# KiCad board FetsAndCrosses.kicad_pcb (continued)
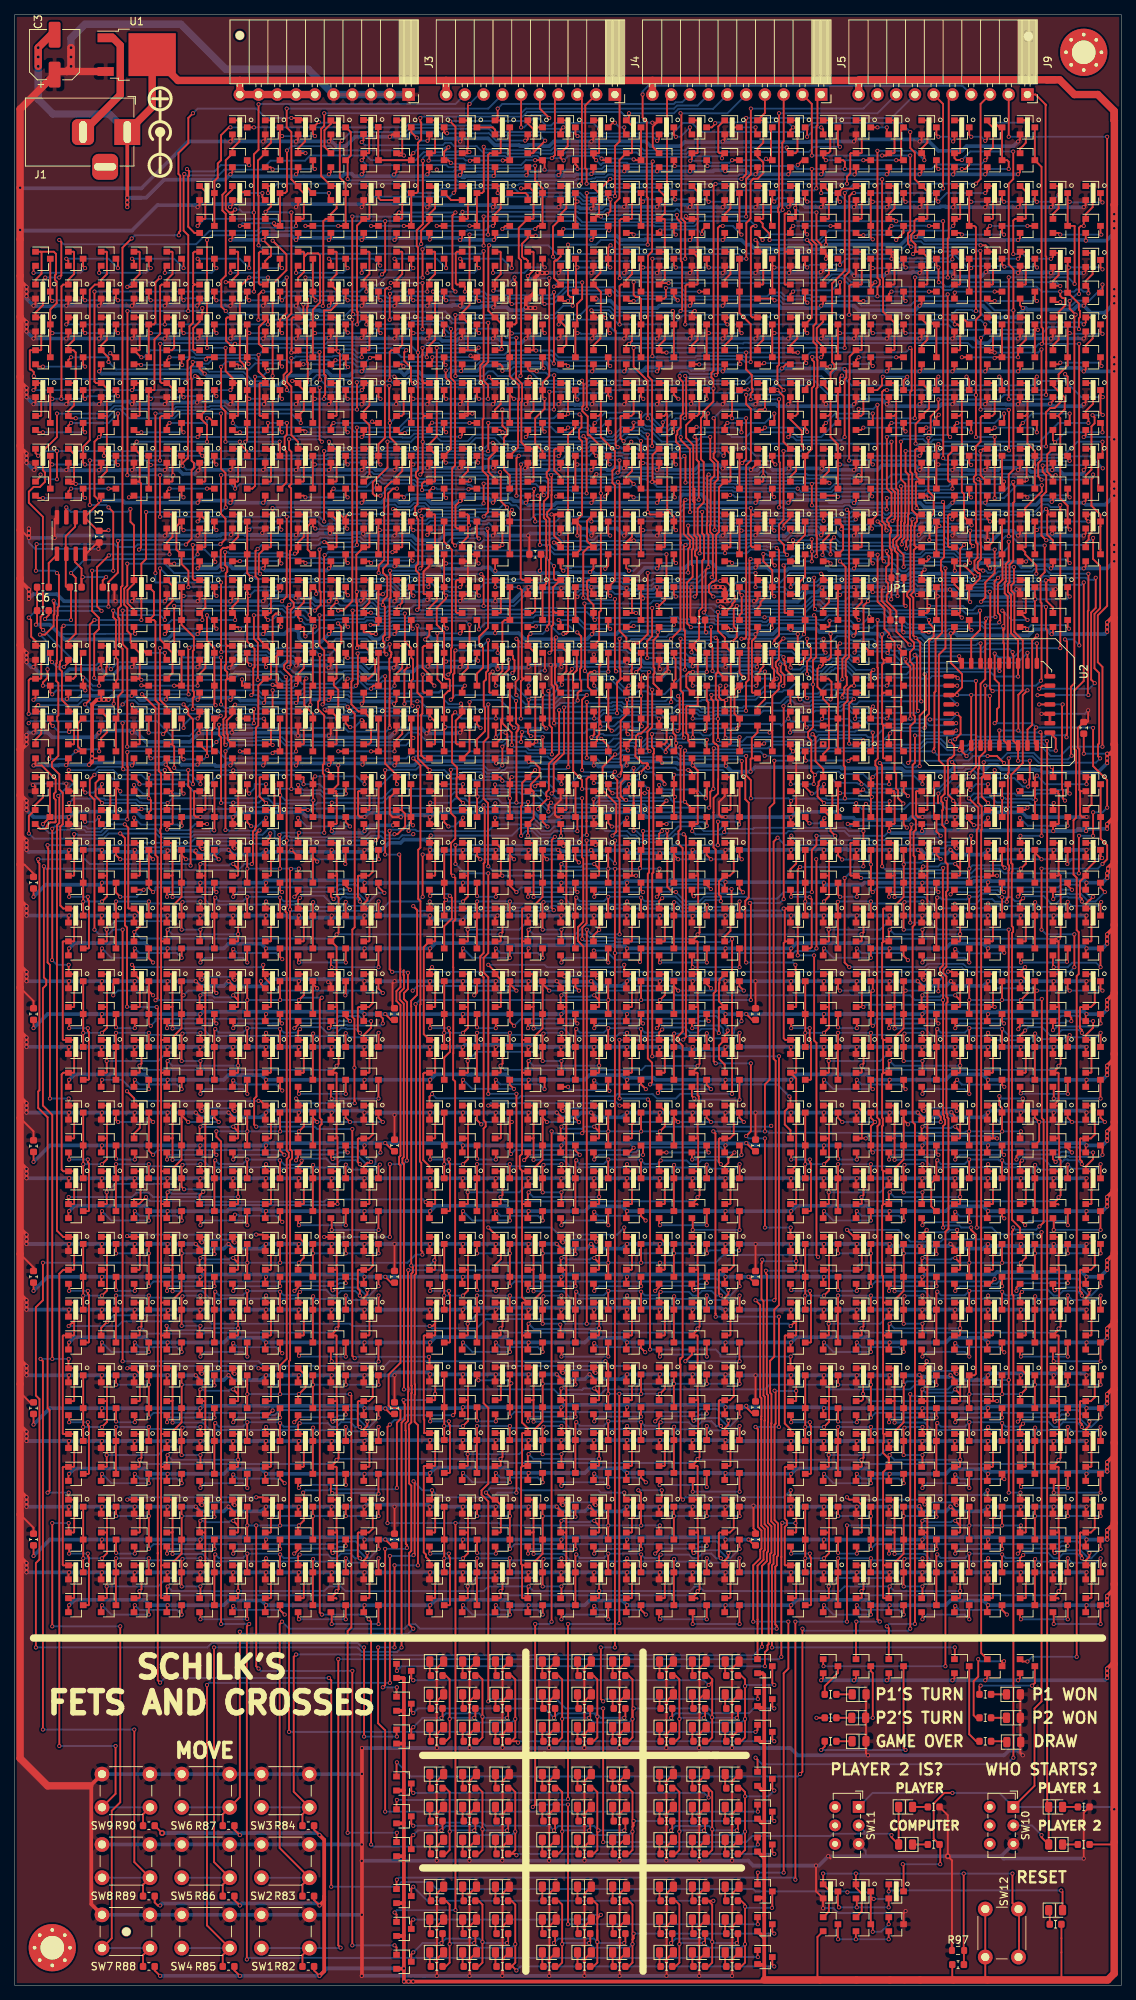
[diagram p0: board, top side]
## Routing (per net, layer and track width the routed paths; a pad name or vN(x,y) marks a point on that pad's centre or on a via; arc(x,y) is an arc through that point) (continued)
  Bottom w0.25: v1(61.46,202.48) 57.22,202.48 57.05,202.64 v1(56.66,202.64)
Net-(Q579-Pad2): length 8.5
  Top w0.25: v1(52.81,210.08) 52.13,210.08 51.7,210.5 ; v1(58.42,210.2) 58.15,210.47 Q580.3
  Bottom w0.25: v1(58.42,210.2) 57.78,210.2 57.53,210.44 53.17,210.44 v1(52.81,210.08)
Net-(Q580-Pad2): length 7.2
  Top w0.25: v1(61.59,211.45) Q581.3 ; 56.15,210.5 56.15,211.15 56.48,211.49 v1(56.52,211.49)
  Bottom w0.25: v1(61.59,211.45) 56.56,211.45 v1(56.52,211.49)
Net-(Q585-Pad2): length 8.6
  Top w0.25: Q586.3 44.81,219.33 v1(45.12,219.02) ; Q585.2 39.08,219.39 v1(39.09,219.39)
  Bottom w0.25: v1(39.09,219.39) 42.47,219.39 43.11,218.75 44.84,218.75 v1(45.12,219.02)
Net-(Q586-Pad2): length 7.2
  Top w0.25: Q586.2 42.89,219.39 v1(43.44,219.94) ; Q587.3 48.2,220.34 v1(48.12,220.27)
  Bottom w0.25: v1(43.44,219.94) 44.28,219.94 44.5,220.16 45.91,220.16 46.32,219.74 47.6,219.74 v1(48.12,220.27)
Net-(Q591-Pad2): length 8.2
  Top w0.25: Q592.3 44.81,210.45 v1(45.08,210.19) ; v1(39.37,210.28) 39.15,210.5 38.37,210.5
  Bottom w0.25: v1(39.37,210.28) 39.47,210.19 v1(45.08,210.19)
Net-(Q592-Pad2): length 7.4
  Top w0.25: v1(43.18,211.45) 42.81,211.09 42.81,210.5 ; Q593.3 48.56,211.45 48.41,211.61 v1(48.41,211.64)
  Bottom w0.25: v1(48.41,211.64) 48.22,211.45 v1(43.18,211.45)
Net-(Q597-Pad2): length 9.7
  Top w0.25: v1(45.08,232.41) 44.81,232.68 Q598.3 ; 38.42,232.73 Q597.2 38.1,232.46 v1(38.1,231.77)
  Bottom w0.25: v1(45.08,232.41) 44.45,231.77 v1(38.1,231.77)
Net-(Q598-Pad2): length 9.4
  Top w0.25: Q598.2 42.81,233.41 v1(42.55,233.68) ; Q602.3 49.26,232.99 v1(49.49,232.76)
  Bottom w0.25: v1(49.49,232.76) 48.57,233.68 v1(42.55,233.68)
Net-(Q602-Pad2): length 9.7
  Top w0.25: v1(53.98,232.41) 53.7,232.68 Q603.3 ; v1(46.99,231.77) 46.99,232.46 Q602.2
  Bottom w0.25: v1(46.99,231.77) 47.38,232.16 53.73,232.16 v1(53.98,232.41)
Net-(Q603-Pad2): length 10
  Top w0.25: Q604.3 58.42,233.41 v1(58.42,232.41) ; v1(51.44,233.68) 51.7,233.41 Q603.2
  Bottom w0.25: v1(58.42,232.41) 57.15,233.68 v1(51.44,233.68)
Net-(Q604-Pad2): length 9.7
  Top w0.25: Q604.2 55.88,232.46 v1(55.88,231.77) ; Q608.3 62.59,232.68 v1(62.87,232.41)
  Bottom w0.25: v1(62.87,232.41) 62.23,231.77 v1(55.88,231.77)
Net-(Q608-Pad2): length 10
  Top w0.25: v1(67.31,232.41) 67.31,233.41 Q609.3 ; Q608.2 60.59,233.41 v1(60.33,233.68)
  Bottom w0.25: v1(60.33,233.68) 66.04,233.68 v1(67.31,232.41)
Net-(Q609-Pad2): length 9.7
  Top w0.25: Q609.2 64.77,232.46 v1(64.77,231.77) ; v1(71.77,232.5) 71.48,232.79 Q610.3
  Bottom w0.25: v1(64.77,231.77) 69.03,231.77 69.75,232.5 v1(71.77,232.5)
Net-(Q613-Pad2): length 8.4
  Top w0.25: v1(114.94,236.85) 114.26,236.85 Q613.2 ; 119.5,236.22 v1(119.38,236.22) 120.38,237.22 Q614.3
  Bottom w0.25: v1(114.94,236.85) 115.32,236.85 115.41,236.95 118.65,236.95 v1(119.38,236.22)
Net-(Q614-Pad2): length 7.2
  Top w0.25: v1(123.83,238.12) Q615.3 ; Q614.2 118.38,237.76 v1(118.74,238.12)
  Bottom w0.25: v1(123.83,238.12) 123.44,238.12 123.42,238.15 119.15,238.15 119.13,238.12 v1(118.74,238.12)
Net-(Q619-Pad2): length 8.7
  Top w0.25: v1(102.9,228.06) 102.67,228.28 100.6,228.28 ; v1(107.35,227.74) 107.05,228.04 Q620.3
  Bottom w0.25: v1(102.9,228.06) 103.59,228.06 104.06,227.59 107.2,227.59 v1(107.35,227.74)
Net-(Q620-Pad2): length 9.6
  Top w0.25: v1(105.41,229.23) 105.05,228.87 105.05,228.28 ; v1(111.76,230.5) 111.76,229.5 Q621.3 111.42,229.23 111.32,229.13
  Bottom w0.25: v1(105.41,229.23) 105.58,229.4 110.66,229.4 v1(111.76,230.5)
Net-(Q625-Pad2): length 7.3
  Top w0.25: Q626.3 v1(132.72,229.23) ; 127.27,228.28 127.27,229.06 v1(127.31,229.1)
  Bottom w0.25: v1(132.72,229.23) 127.45,229.23 v1(127.31,229.1)
Net-(Q626-Pad2): length 8.2
  Top w0.25: 131.72,228.28 132.03,227.96 v1(132.72,227.96) ; v1(138.43,227.96) 138.16,228.23 Q627.3
  Bottom w0.25: v1(138.43,227.96) v1(132.72,227.96)
Net-(Q631-Pad2): length 8.2
  Top w0.25: 113.94,228.28 114.26,227.96 v1(114.94,227.96) ; v1(120.65,227.96) 120.38,228.23 Q632.3
  Bottom w0.25: v1(120.65,227.96) v1(114.94,227.96)
Net-(Q632-Pad2): length 7.2
  Top w0.25: v1(118.74,229.23) 118.38,228.87 118.38,228.28 ; v1(123.83,229.23) Q633.3
  Bottom w0.25: v1(118.74,229.23) v1(123.83,229.23)
Net-(Q637-Pad2): length 8.1
  Top w0.25: v1(133.98,236.95) 133.72,237.22 Q638.3 ; v1(128.27,236.95) 128.04,237.17 Q637.2
  Bottom w0.25: v1(128.27,236.95) v1(133.98,236.95)
Net-(Q638-Pad2): length 7.2
  Top w0.25: v1(137.16,238.12) Q639.3 ; v1(132.08,238.12) 131.72,237.76 Q638.2
  Bottom w0.25: v1(132.08,238.12) v1(137.16,238.12)
Net-(Q643-Pad2): length 8.8
  Top w0.25: v1(107.31,236.97) 107.05,237.24 Q644.3 ; v1(101.28,236.22) 100.6,236.9 Q643.2
  Bottom w0.25: v1(107.31,236.97) 102.03,236.97 v1(101.28,236.22)
Net-(Q644-Pad2): length 7.2
  Top w0.25: Q644.2 105.05,237.76 v1(105.41,238.12) ; v1(110.49,238.12) Q645.3
  Bottom w0.25: v1(105.41,238.12) v1(110.49,238.12)
Net-(Q652-Pad2): length 7.9
  Top w0.25: v1(147.16,236.95) 147.05,237.06 Q653.3 ; v1(141.6,236.95) 141.38,237.17 Q652.2
  Bottom w0.25: v1(141.6,236.95) v1(147.16,236.95)
Net-(Q658-Pad3): length 5.8
  Top w0.25: v1(131.44,224.79) 131.44,224.11 Q659.2 ; Q658.3 128.63,225.42 v1(128.27,225.42)
  Bottom w0.25: v1(131.44,224.79) 130.84,225.39 128.3,225.39 v1(128.27,225.42)
Net-(Q663-Pad2): length 8.2
  Top w0.25: Q664.3 89.27,237.22 v1(89.54,236.95) ; Q663.2 83.59,237.17 v1(83.82,236.95)
  Bottom w0.25: v1(83.82,236.95) 86.25,236.95 86.31,236.88 89.47,236.88 v1(89.54,236.95)
Net-(Q664-Pad2): length 7.7
  Top w0.25: Q664.2 87.27,237.34 v1(87.41,237.48) ; Q665.3 93.09,237.5 v1(93.09,237.01)
  Bottom w0.25: v1(87.41,237.48) 87.56,237.63 92.46,237.63 v1(93.09,237.01)
Net-(Q672-Pad2): length 20
  Top w0.25: 25.36,236.85 Q672.2 24.33,237.17 23.49,238.02 23.49,244.8 23.61,244.91 23.61,245.53 v1(23.33,245.81) ; v1(31.75,246.35) 31.48,246.62 Q673.3
  Bottom w0.25: v1(23.33,245.81) 23.65,245.49 27.05,245.49 27.9,246.35 v1(31.75,246.35)
Net-(Q676-Pad2): length 7.5
  Top w0.25: v1(107.19,219.56) 107.05,219.7 Q677.3 ; v1(101.5,219.56) 101.34,219.39 Q676.2
  Bottom w0.25: v1(107.19,219.56) v1(101.5,219.56)
Net-(Q682-Pad2): length 9.7
  Top w0.25: v1(141.6,227.8) 140.92,227.8 Q682.2 ; Q683.3 147.32,229.34 v1(147.32,230.19)
  Bottom w0.25: v1(141.6,227.8) 142.05,227.36 143.16,227.36 143.82,228.02 145.54,228.02 147.32,229.8 v1(147.32,230.19)
Net-(Q688-Pad2): length 8.1
  Top w0.25: Q688.2 141.39,219.39 v1(141.61,219.61) ; v1(147.18,219.17) 147.05,219.3 Q689.3
  Bottom w0.25: v1(147.18,219.17) 146.73,219.61 v1(141.61,219.61)
Net-(Q693-Pad2): length 8.7
  Top w0.25: v1(83.82,227.96) 83.14,227.96 82.82,228.28 ; v1(89.79,228.06) 89.27,228.58 Q694.3
  Bottom w0.25: v1(89.79,228.06) 89.4,228.06 89.23,228.22 84.47,228.22 84.21,227.96 v1(83.82,227.96)
Net-(Q694-Pad2): length 8
  Top w0.25: v1(92.71,229.23) Q695.3 ; 87.27,228.28 87.97,228.28 88.19,228.51 v1(88.19,229.72)
  Bottom w0.25: v1(88.19,229.72) 90.28,229.72 90.77,229.23 v1(92.71,229.23)
Net-(Q700-Pad2): length 7.7
  Top w0.25: 73.93,228.28 74.25,227.96 v1(74.93,227.96) ; Q701.3 80.38,228.97 v1(80.56,228.78)
  Bottom w0.25: v1(80.56,228.78) 80.46,228.88 75.85,228.88 v1(74.93,227.96)
Net-(Q704-Pad2): length 7.6
  Top w0.25: Q704.2 73.93,237.34 v1(74.3,237.71) ; Q705.3 80.38,237.65 v1(80.51,237.52)
  Bottom w0.25: v1(74.3,237.71) 80.32,237.71 v1(80.51,237.52)
Net-(Q708-Pad2): length 8.1
  Top w0.25: v1(80.65,219.17) 80.38,219.44 Q709.3 ; Q708.2 74.7,219.39 v1(74.93,219.17)
  Bottom w0.25: v1(80.65,219.17) v1(74.93,219.17)
Net-(Q712-Pad2): length 7.5
  Top w0.25: v1(98.26,219.43) 98.16,219.53 Q713.3 ; v1(92.71,219.37) 92.69,219.39 Q712.2
  Bottom w0.25: v1(92.71,219.37) 98.21,219.37 v1(98.26,219.43)
Net-(Q716-Pad2): length 8.4
  Top w0.25: v1(137.12,183.55) 137.12,183.57 136.86,183.83 Q716.2 ; v1(142.78,183.61) 142.6,183.78 Q717.3
  Bottom w0.25: v1(142.78,183.61) 142.29,184.09 137.66,184.09 v1(137.12,183.55)
Net-(Q720-Pad2): length 8.3
  Top w0.25: v1(137.15,201.39) 136.92,201.61 Q720.2 ; v1(142.87,201.39) 142.6,201.65 Q721.3
  Bottom w0.25: v1(142.87,201.39) 142.59,201.66 137.43,201.66 v1(137.15,201.39)
Net-(Q724-Pad2): length 9.2
  Top w0.25: v1(129.57,183.42) 129.27,183.72 Q725.3 ; v1(123.8,183.13) 122.88,183.13 122.83,183.19 Q724.2
  Bottom w0.25: v1(129.57,183.42) 129.18,183.42 129.02,183.58 126.49,183.58 126.19,183.28 123.95,183.28 v1(123.8,183.13)
Net-(Q728-Pad2): length 8.4
  Top w0.25: v1(129.38,192.53) 129.27,192.64 Q729.3 ; v1(123.78,193.26) 123.78,192.98 123.52,192.72 Q728.2
  Bottom w0.25: v1(129.38,192.53) 129.14,192.77 127.58,192.77 127.09,193.26 v1(123.78,193.26)
Net-(Q732-Pad2): length 8.3
  Top w0.25: v1(123.86,201.22) 123.58,201.5 123.58,201.61 ; v1(129.53,201.39) 129.27,201.65 Q733.3 ; 123.58,201.61 123.59,201.61 ; 123.58,201.61 Q732.2
  Bottom w0.25: v1(129.53,201.39) 124.03,201.39 v1(123.86,201.22)
Net-(Q736-Pad2): length 8.2
  Top w0.25: Q736.2 110.19,183.83 110.35,184 v1(110.35,184.67) ; Q737.3 115.76,184.96 v1(115.76,185.22)
  Bottom w0.25: v1(110.35,184.67) 113.2,184.67 113.69,184.18 114.72,184.18 v1(115.76,185.22)
Net-(Q740-Pad2): length 8.5
  Top w0.25: v1(116.21,192.44) 115.94,192.72 Q741.3 ; v1(110.49,192.44) 110.2,192.72 Q740.2
  Bottom w0.25: v1(110.49,192.44) 110.81,192.12 112.05,192.12 112.37,192.44 v1(116.21,192.44)
Net-(Q744-Pad2): length 7.8
  Top w0.25: Q744.2 111.33,201.61 v1(111.48,201.46) ; v1(116.12,201.52) 115.94,201.71 Q745.3
  Bottom w0.25: v1(111.48,201.46) 111.54,201.52 v1(116.12,201.52)
Net-(Q750-Pad2): length 9.4
  Top w0.25: Q751.3 116.2,211.72 v1(116.2,212.72) ; 109.49,210.5 109.49,211.09 v1(109.86,211.45)
  Bottom w0.25: v1(109.86,211.45) 111.13,212.72 v1(116.2,212.72)
Net-(Q751-Pad2): length 8.3
  Top w0.25: 113.94,210.5 114.62,210.5 v1(114.94,210.82) ; Q752.3 120.38,210.58 v1(120.65,210.31)
  Bottom w0.25: v1(120.65,210.31) 120.14,210.82 v1(114.94,210.82)
Net-(Q752-Pad2): length 9.2
  Top w0.25: v1(118.74,211.45) 118.38,211.09 118.38,210.5 ; v1(125.15,212.56) 124.83,212.24 Q756.3
  Bottom w0.25: v1(125.15,212.56) 124.04,211.45 v1(118.74,211.45)
Net-(Q756-Pad2): length 8.5
  Top w0.25: Q757.3 129.54,211.19 v1(129.54,210.19) ; v1(123.44,210.83) 123.12,210.5 122.83,210.5
  Bottom w0.25: v1(123.44,210.83) 128.89,210.83 v1(129.54,210.19)
Net-(Q757-Pad2): length 9.4
  Top w0.25: 127.27,210.5 127.27,211.09 v1(127.64,211.45) ; v1(133.98,212.72) 133.98,211.72 Q758.3
  Bottom w0.25: v1(127.64,211.45) 132.72,211.45 v1(133.98,212.72)
Net-(Q758-Pad2): length 8.5
  Top w0.25: 131.72,210.5 132.4,210.5 v1(132.72,210.82) ; Q762.3 138.43,211.19 v1(138.43,210.19)
  Bottom w0.25: v1(138.43,210.19) 137.79,210.82 v1(132.72,210.82)
Net-(Q762-Pad2): length 9.4
  Top w0.25: v1(136.52,211.45) 136.16,211.09 136.16,210.5 ; Q763.3 142.88,211.72 v1(142.88,212.72)
  Bottom w0.25: v1(142.88,212.72) 137.79,212.72 v1(136.52,211.45)
Net-(Q763-Pad2): length 10.2
  Top w0.25: v1(147.32,210.19) 147.32,211.19 Q764.3 ; 140.6,210.5 140.6,209.13 v1(140.9,208.84)
  Bottom w0.25: v1(140.9,208.84) 142.25,210.19 v1(147.32,210.19)
Net-(Q768-Pad2): length 8.3
  Top w0.25: v1(142.88,192.5) 142.6,192.77 Q769.3 ; v1(136.95,192.7) 136.93,192.72 Q768.2
  Bottom w0.25: v1(142.88,192.5) 142.39,192.98 137.23,192.98 v1(136.95,192.7)
Net-(Q772-Pad2): length 8
  Top w0.25: Q773.3 102.6,183.81 v1(102.51,183.73) ; Q772.2 96.62,183.83 v1(97.04,183.41)
  Bottom w0.25: v1(97.04,183.41) 97.32,183.69 99.34,183.69 99.58,183.45 102.24,183.45 v1(102.51,183.73)
Net-(Q776-Pad2): length 8.1
  Top w0.25: Q777.3 102.6,201.66 v1(102.85,201.41) ; v1(96.89,201.7) 96.89,201.65 96.86,201.61 Q776.2
  Bottom w0.25: v1(96.89,201.7) 97.28,201.7 97.57,201.41 v1(102.85,201.41)
Net-(Q780-Pad2): length 7.2
  Top w0.25: Q780.2 83.69,183.83 v1(83.82,183.96) ; v1(89.28,184.15) 89.27,184.16 Q781.3
  Bottom w0.25: v1(89.28,184.15) 89.13,184 83.85,184 v1(83.82,183.96)
Net-(Q784-Pad2): length 9.5
  Top w0.25: Q784.2 82.82,191.82 v1(83.19,191.45) ; Q785.3 89.27,192.77 v1(89.54,192.5)
  Bottom w0.25: v1(83.19,191.45) 83.83,191.45 84.87,192.5 v1(89.54,192.5)
Net-(Q788-Pad2): length 7.9
  Top w0.25: Q788.2 83.58,201.61 v1(83.81,201.39) ; Q789.3 89.27,201.51 v1(89.39,201.39)
  Bottom w0.25: v1(83.81,201.39) v1(89.39,201.39)
Net-(Q792-Pad2): length 9.9
  Top w0.25: v1(80.65,183.58) 80.38,183.85 Q793.3 ; Q792.2 73.93,184.51 v1(73.66,184.78)
  Bottom w0.25: v1(73.66,184.78) 75.95,184.78 77.15,183.58 v1(80.65,183.58)
Net-(Q796-Pad2): length 11.3
  Top w0.25: 74.25,192.4 Q796.2 ; Q796.2 73.93,192.07 ; Q796.2 73.93,191.82 v1(74.3,191.45) ; Q797.3 80.38,192.13 v1(79.98,191.73)
  Bottom w0.25: 75.35,191.87 75.48,192 79.7,192 v1(79.98,191.73) ; 75.35,191.87 75.34,191.86 74.7,191.86 v1(74.3,191.45) ; 75.35,191.87 74.71,191.87 74.69,191.86
Net-(Q800-Pad2): length 9.2
  Top w0.25: v1(73.29,201.5) 73.81,201.5 Q800.2 74.02,201.61 74.31,201.33 ; v1(79.99,201.5) 80.38,201.89 Q801.3
  Bottom w0.25: v1(79.99,201.5) 79.82,201.33 74.31,201.33 ; v1(73.29,201.5) 74.07,201.5 74.27,201.29
Net-(Q806-Pad2): length 35.3
  Top w0.25: 76.2,211.72 Q807.3 75.93,210.8 74.93,209.8 74.93,183.16 74.68,182.91 v1(74.3,182.91) ; Q806.2 70.49,183.83 v1(70.56,183.91)
  Bottom w0.25: v1(70.56,183.91) 70.76,184.11 72.48,184.11 73.68,182.91 v1(74.3,182.91)
Net-(Q807-Pad2): length 9.5
  Top w0.25: v1(74.93,210.82) 74.62,210.5 73.93,210.5 ; 80.38,210.45 Q808.3 80.38,210.45 v1(80.65,210.19)
  Bottom w0.25: v1(74.93,210.82) 77.47,210.82 77.92,210.37 80.46,210.37 v1(80.65,210.19)
Net-(Q808-Pad2): length 9.2
  Top w0.25: v1(84.74,212.85) 84.82,212.77 Q812.3 ; v1(78.55,211.45) 78.38,211.28 78.38,210.5
  Bottom w0.25: v1(78.55,211.45) 79.94,212.85 v1(84.74,212.85)
Net-(Q812-Pad2): length 9.4
  Top w0.25: Q813.3 89.27,210.34 v1(89.13,210.21) ; 82.82,210.5 83.52,210.5 83.81,210.8 v1(83.81,211.49)
  Bottom w0.25: v1(83.81,211.49) 85.05,211.49 85.54,211 86.17,211 87.44,209.73 88.66,209.73 v1(89.13,210.21)
Net-(Q813-Pad2): length 9.2
  Top w0.25: Q814.3 93.71,212.57 v1(93.88,212.74) ; v1(87.77,211.53) 87.77,211.01 87.27,210.5
  Bottom w0.25: v1(87.77,211.53) 88.98,212.74 v1(93.88,212.74)
Net-(Q814-Pad2): length 8.6
  Top w0.25: v1(98.42,210.19) 98.42,211.19 Q818.3 ; 91.71,210.5 91.91,210.5 v1(92.33,210.93)
  Bottom w0.25: v1(98.42,210.19) 97.79,210.82 92.44,210.82 v1(92.33,210.93)
Net-(Q818-Pad2): length 9.4
  Top w0.25: Q819.3 102.87,211.72 v1(102.87,212.72) ; v1(96.52,211.45) 96.16,211.09 96.16,210.5
  Bottom w0.25: v1(102.87,212.72) 101.6,211.45 v1(96.52,211.45)
Net-(Q819-Pad2): length 8.4
  Top w0.25: 100.6,210.5 101.29,210.5 v1(101.6,210.82) ; v1(107.31,210.25) 107.31,210.53 107.05,210.8 Q820.3
  Bottom w0.25: v1(107.31,210.25) 106.74,210.82 v1(101.6,210.82)
Net-(Q824-Pad2): length 8.7
  Top w0.25: Q824.2 96.93,192.72 v1(97.16,192.5) ; Q825.3 102.6,192.49 v1(102.92,192.17)
  Bottom w0.25: v1(102.92,192.17) 102.58,192.52 100.03,192.52 99.95,192.44 97.21,192.44 v1(97.16,192.5)
Net-(Q829-Pad2): length 8.4
  Top w0.25: Q830.3 115.94,219.44 v1(116.2,219.17) ; Q829.2 109.8,219.09 v1(110.41,219.09)
  Bottom w0.25: v1(116.2,219.17) 115.93,219.44 110.77,219.44 v1(110.41,219.09)
Net-(Q830-Pad2): length 7.2
  Top w0.25: v1(119.38,220.34) Q831.3 ; Q830.2 113.94,219.98 v1(114.3,220.34)
  Bottom w0.25: v1(114.3,220.34) v1(119.38,220.34)
Net-(Q838-Pad3): length 4.4
  Top w0.25: Q839.2 47.26,171.15 47.18,171.23 v1(46.99,171.23) ; v1(45.44,170.28) 45.34,170.28 44.81,170.8 Q838.3
  Bottom w0.25: v1(46.99,171.23) 46.03,170.28 v1(45.44,170.28)
Net-(Q844-Pad3): length 5.1
  Top w0.25: v1(31.88,178.72) 31.48,179.11 Q844.3 ; Q845.2 33.92,178.5 v1(34.03,178.4)
  Bottom w0.25: v1(34.03,178.4) 33.71,178.72 v1(31.88,178.72)
Net-(Q850-Pad3): length 5.9
  Top w0.25: Q851.2 33.92,171.24 v1(33.73,171.43) ; v1(30.18,171.38) 30.25,171.45 Q850.3
  Bottom w0.25: v1(30.18,171.38) 30.23,171.43 v1(33.73,171.43)
Net-(Q856-Pad3): length 5.8
  Top w0.25: Q857.2 20.32,179.66 v1(20.32,180.34) ; v1(17.14,180.97) 17.78,180.34 Q856.3
  Bottom w0.25: v1(20.32,180.34) 17.65,180.34 17.14,180.85 v1(17.14,180.97)
Net-(Q862-Pad3): length 5.3
  Top w0.25: v1(18.13,169.54) 18.14,169.56 Q862.3 ; Q863.2 20.59,169.83 v1(20.1,169.34)
  Bottom w0.25: v1(20.1,169.34) 19.89,169.54 v1(18.13,169.54)
Net-(Q868-Pad3): length 4.8
  Top w0.25: v1(5.04,179.08) 4.81,179.31 Q868.3 ; v1(6.67,178.44) 7.25,179.02 Q869.2 7.25,179.37 7,179.12
  Bottom w0.25: v1(6.67,178.44) 5.69,178.44 v1(5.04,179.08)
Net-(Q874-Pad3): length 4.6
  Top w0.25: v1(5.14,170.45) 4.81,170.79 Q874.3 ; Q875.2 7.25,169.75 v1(7.37,169.64)
  Bottom w0.25: v1(5.14,170.45) 5.96,169.64 v1(7.37,169.64)
Net-(Q880-Pad2): length 8.1
  Top w0.25: v1(40.64,245.84) 40.37,246.11 Q881.3 ; v1(34.92,245.78) 34.64,246.06 Q880.2
  Bottom w0.25: v1(34.92,245.78) 34.98,245.84 v1(40.64,245.84)
Net-(Q886-Pad3): length 5.1
  Top w0.25: v1(45.1,179.65) 44.86,179.65 44.81,179.69 Q886.3 ; v1(48.12,179.2) 47.93,179.39 Q887.2
  Bottom w0.25: v1(48.12,179.2) 47.96,179.36 47.59,179.36 47.3,179.65 v1(45.1,179.65)
Net-(Q890-Pad2): length 7.8
  Top w0.25: Q890.2 48.03,192.72 v1(48.26,192.5) ; v1(53.88,192.82) 53.7,192.99 Q891.3
  Bottom w0.25: v1(48.26,192.5) 48.58,192.82 v1(53.88,192.82)
Net-(Q894-Pad2): length 9.3
  Top w0.25: Q894.2 47.26,183.19 47.33,183.12 48.02,183.12 48.26,182.88 v1(48.9,182.88) ; Q895.3 53.7,183.8 v1(53.9,183.61)
  Bottom w0.25: v1(53.9,183.61) 53.51,183.61 53.44,183.53 49.01,183.53 49.01,182.99 v1(48.9,182.88)
Net-(Q898-Pad2): length 8.1
  Top w0.25: Q899.3 44.81,192.77 v1(45.09,192.5) ; v1(39.37,192.5) 39.14,192.72 Q898.2
  Bottom w0.25: v1(39.37,192.5) v1(45.09,192.5)
Net-(Q902-Pad2): length 9.9
  Top w0.25: v1(39.37,182.56) 39.2,182.74 39.2,183.37 ; 39.2,183.37 39.2,183.71 39.07,183.83 Q902.2 38.42,183.83 ; 39.2,183.37 39.2,182.98 ; Q903.3 44.81,184.13 45.09,183.86 v1(45.14,183.86)
  Bottom w0.25: v1(45.14,183.86) 44.75,183.86 44.6,183.71 41.33,183.71 40.6,182.98 39.79,182.98 v1(39.37,182.56)
Net-(Q906-Pad2): length 8.1
  Top w0.25: Q907.3 35.92,192.62 v1(36.1,192.44) ; v1(30.49,192.76) 30.46,192.72 Q906.2
  Bottom w0.25: v1(30.49,192.76) 35.78,192.76 v1(36.1,192.44)
Net-(Q910-Pad2): length 7.8
  Top w0.25: v1(36.07,183.86) 35.92,184.01 Q911.3 ; v1(30.47,183.61) 30.24,183.83 Q910.2
  Bottom w0.25: v1(30.47,183.61) 30.73,183.86 v1(36.07,183.86)
Net-(Q914-Pad2): length 7.9
  Top w0.25: Q914.2 20.91,192.4 v1(21.59,192.4) ; Q915.3 27.04,192.77 v1(27.16,192.65)
  Bottom w0.25: v1(27.16,192.65) 26.91,192.4 v1(21.59,192.4)
Net-(Q918-Pad2): length 9.7
  Top w0.25: Q918.2 20.59,183.15 v1(20.32,182.88) ; Q919.3 27.04,183.88 v1(27.31,183.61)
  Bottom w0.25: v1(27.31,183.61) 21.05,183.61 v1(20.32,182.88)
Net-(Q923-Pad2): length 24.6
  Top w0.25: v1(54.53,184.01) 54.53,174.96 55.21,174.28 55.21,172.11 55.06,171.96 55.06,166.44 55.45,166.06 Q923.2 ; v1(58.51,183.64) 58.15,184 Q924.3
  Bottom w0.25: v1(54.53,184.01) 54.91,183.64 v1(58.51,183.64)
Net-(Q924-Pad2): length 27
  Top w0.25: v1(55.58,182.15) 56.15,182.72 Q924.2 ; Q928.3 62.59,168.64 63.68,169.73 63.68,172.92 63.51,173.09 63.51,176.42 63.83,176.74 ; 63.83,176.74 63.83,177.69 64.11,177.97 v1(64.11,182.03) 64.14,182.05 64.14,182.12 ; 63.83,176.74 63.83,176.79
  Bottom w0.25: v1(64.11,182.03) 63.43,181.35 56.38,181.35 v1(55.58,182.15)
Net-(Q928-Pad2): length 49.3
  Top w0.25: v1(76.19,183.1) 76.72,182.57 76.72,178.34 76.56,178.19 76.56,176.71 76.72,176.56 76.72,175.23 76.66,175.17 76.49,175.17 76.23,174.91 v1(76.23,173.89) ; v1(61.59,173.67) 61.59,167 60.65,166.06 Q928.2 ; Q929.3 62.87,184.51 v1(62.87,183.51)
  Bottom w0.25: v1(76.19,183.1) 75.98,183.1 74.93,184.15 73.29,184.15 72.89,184.56 70.32,184.56 70.16,184.4 63.75,184.4 v1(62.87,183.51) ; v1(76.23,173.89) 75.88,173.54 73.85,173.54 73.21,172.9 66.81,172.9 65.76,173.96 61.88,173.96 v1(61.59,173.67)
Net-(Q929-Pad2): length 11.6
  Top w0.25: v1(57.24,182.97) 57.24,176.75 58.1,175.89 Q930.3 ; v1(60.33,182.97) 60.38,182.97 60.59,183.19 Q929.2
  Bottom w0.25: v1(57.24,182.97) v1(60.33,182.97)
Net-(Q930-Pad2): length 28.1
  Top w0.25: Q934.3 58.15,195.35 59.21,194.29 59.21,181.07 59.09,180.95 59.09,177.76 v1(58.72,177.39) ; v1(55.25,177.4) 55.25,175.15 55.45,174.94 56.15,174.94
  Bottom w0.25: v1(58.72,177.39) 58.72,177.4 v1(55.25,177.4)
Net-(Q934-Pad2): length 31.8
  Top w0.25: Q934.2 56.15,196.52 55.94,196.31 v1(55.88,196.31) ; v1(64.02,197.14) 64.02,196.75 64.1,196.68 64.1,183.73 62.9,182.53 62.9,181.57 63.43,181.04 63.43,178.37 62.59,177.53 Q935.3
  Bottom w0.25: v1(64.02,197.14) 61.95,197.14 61.81,197 56.58,197 v1(55.88,196.31)
Net-(Q935-Pad2): length 145.5
  Top w0.25: v1(4.44,178.11) 4.44,176.96 3.81,176.33 v1(3.81,175.89) ; Q936.3 62.59,196.08 v1(62.87,195.81) ; v1(60.96,175.89) 60.59,175.53 60.59,174.94 ; v1(12.69,186.6) 12.69,189.92 13.96,191.19 v1(13.96,195.49) ; v1(5.26,187.39) 5.26,187 5.36,186.9 5.36,185.57 5.26,185.48 5.26,183.96 4.11,182.81 v1(3.41,182.81)
  Bottom w0.25: 4.44,179.06 4.44,181.78 v1(3.41,182.81) ; 4.44,179.06 4.44,178.53 ; 4.44,179.06 v1(4.44,178.11) ; v1(60.96,175.89) 58.36,175.89 57.44,174.98 55.53,174.98 ; 55.53,174.98 57.5,174.98 57.79,175.26 ; 55.53,174.98 55.38,174.83 45.55,174.83 45.28,175.11 39.31,175.11 38.83,174.63 33.63,174.63 33,175.26 23.9,175.26 23.83,175.32 23.26,175.32 23.2,175.26 17.58,175.26 17.51,175.33 16.94,175.33 16.86,175.26 10.57,175.26 9.93,175.89 v1(3.81,175.89) ; v1(12.69,186.6) 12.67,186.62 6.03,186.62 v1(5.26,187.39) ; v1(13.96,195.49) 14.07,195.6 27.52,195.6 27.58,195.65 41.14,195.65 41.41,195.92 42.43,195.92 42.51,195.85 45.71,195.85 45.86,196 46.81,196 47.22,195.59 53.65,195.59 54.23,195 58.34,195 59.19,195.85 62.82,195.85 v1(62.87,195.81)
Net-(Q945-Pad2): length 10.9
  Top w0.25: Q946.3 18.14,139.02 v1(18.73,138.43) ; v1(11.81,140.33) 11.7,140.22 11.7,139.38
  Bottom w0.25: v1(18.73,138.43) 18.1,139.06 13.08,139.06 v1(11.81,140.33)
Net-(Q946-Pad2): length 9.1
  Top w0.25: Q947.3 22.61,140.32 v1(22.61,139.06) ; 16.14,139.38 16.14,140.22 v1(16.26,140.33)
  Bottom w0.25: v1(16.26,140.33) 16.89,139.7 21.97,139.7 v1(22.61,139.06)
Net-(Q950-Pad2): length 9.2
  Top w0.25: Q950.2 29.59,148.16 v1(29.59,147.32) ; v1(36.2,147.95) 35.92,148.22 Q951.3
  Bottom w0.25: v1(29.59,147.32) 30.23,147.95 v1(36.2,147.95)
Net-(Q955-Pad2): length 9.8
  Top w0.25: v1(31.5,138.43) 31.48,138.45 Q956.3 ; 25.04,139.38 25.15,139.27 v1(25.15,138.43)
  Bottom w0.25: v1(25.15,138.43) 25.78,139.06 30.86,139.06 v1(31.5,138.43)
Net-(Q956-Pad2): length 9.9
  Top w0.25: Q957.3 35.92,139.18 v1(36.23,138.88) ; v1(29.59,140.24) 29.48,140.13 29.48,139.38 29.59,139.27
  Bottom w0.25: v1(36.23,138.88) 35.41,139.7 30.14,139.7 v1(29.59,140.24)
Net-(Q961-Pad2): length 9.3
  Top w0.25: v1(44.83,138.43) 44.83,140.32 Q962.3 ; 38.37,139.38 38.37,138.54 v1(38.48,138.43)
  Bottom w0.25: v1(38.48,138.43) v1(44.83,138.43)
Net-(Q962-Pad2): length 10.5
  Top w0.25: v1(49.28,137.79) 49.26,137.81 Q963.3 ; 42.81,139.38 42.81,137.91 v1(42.92,137.8)
  Bottom w0.25: v1(49.28,137.79) 42.93,137.79 v1(42.92,137.8)
Net-(Q967-Pad2): length 10.4
  Top w0.25: Q968.3 44.81,148.86 v1(45.4,148.27) ; v1(37.88,147.32) 38.37,147.81 Q967.2
  Bottom w0.25: v1(37.88,147.32) 38.56,148 43.6,148 43.97,148.37 44.35,148.37 44.45,148.27 v1(45.4,148.27)
Net-(Q968-Pad2): length 11.3
  Top w0.25: Q968.2 42.81,147.37 v1(43.18,147) ; v1(50.06,147.85) 49.26,148.65 Q969.3
  Bottom w0.25: v1(43.18,147) 43.58,147.4 43.64,147.4 44.01,147.77 45.02,147.77 45.11,147.67 46.64,147.67 47.62,146.69 48.01,146.69 49.17,147.85 v1(50.06,147.85)
Net-(Q972-Pad2): length 9.3
  Top w0.25: v1(20.62,147.32) 20.59,147.36 Q972.2 ; v1(27.31,147.95) 27.04,148.22 Q973.3 27.05,149.21
  Bottom w0.25: v1(20.62,147.32) 20.62,147.71 20.87,147.95 27.05,147.95
Net-(Q987-Pad2): length 9.1
  Top w0.25: v1(60.71,140.33) 60.59,140.22 60.59,139.38 ; Q988.3 67.06,140.32 v1(67.06,139.06)
  Bottom w0.25: v1(60.71,140.33) 61.98,139.06 v1(67.06,139.06)
Net-(Q988-Pad2): length 9.1
  Top w0.25: v1(65.15,140.33) 65.04,140.22 65.04,139.38 ; Q989.3 71.5,140.32 v1(71.5,139.06)
  Bottom w0.25: v1(65.15,140.33) 65.79,139.7 70.87,139.7 v1(71.5,139.06)
Net-(Q992-Pad2): length 9.2
  Top w0.25: Q992.2 78.49,148.16 v1(78.49,147.32) ; v1(85.09,147.95) 84.82,148.22 Q993.3
  Bottom w0.25: v1(85.09,147.95) 79.12,147.95 v1(78.49,147.32)
Net-(Q997-Pad2): length 9.8
  Top w0.25: v1(80.39,138.43) 80.38,138.45 Q998.3 ; 73.93,139.38 74.04,139.27 v1(74.04,138.43)
  Bottom w0.25: v1(80.39,138.43) 79.76,139.06 74.68,139.06 v1(74.04,138.43)
Net-(Q998-Pad2): length 9.6
  Top w0.25: 78.49,139.27 78.38,139.38 78.38,139.99 v1(78.42,140.04) ; v1(84.67,138.52) 84.82,138.66 Q999.3
  Bottom w0.25: v1(78.42,140.04) 80.05,140.04 81.3,138.79 84.4,138.79 v1(84.67,138.52)
Net-(Q1003-Pad2): length 9.3
  Top w0.25: 87.27,139.38 87.27,138.54 v1(87.38,138.43) ; Q1004.3 93.73,140.32 v1(93.73,138.43)
  Bottom w0.25: v1(87.38,138.43) v1(93.73,138.43)
Net-(Q1004-Pad2): length 10.5
  Top w0.25: Q1005.3 98.16,137.81 v1(98.17,137.79) ; 91.71,139.38 91.71,137.91 v1(91.82,137.8)
  Bottom w0.25: v1(98.17,137.79) 91.82,137.79 v1(91.82,137.8)
Net-(Q1009-Pad2): length 10.1
  Top w0.25: Q1009.2 87.27,147.63 v1(86.96,147.32) ; v1(94.28,148.37) 93.71,148.94 Q1010.3
  Bottom w0.25: v1(94.28,148.37) 94.09,148.56 89.25,148.56 88.69,148 87.64,148 v1(86.96,147.32)
